# Altium PCB Fri3D_2024_01.PcbDoc (part 2 of 2) (continued)
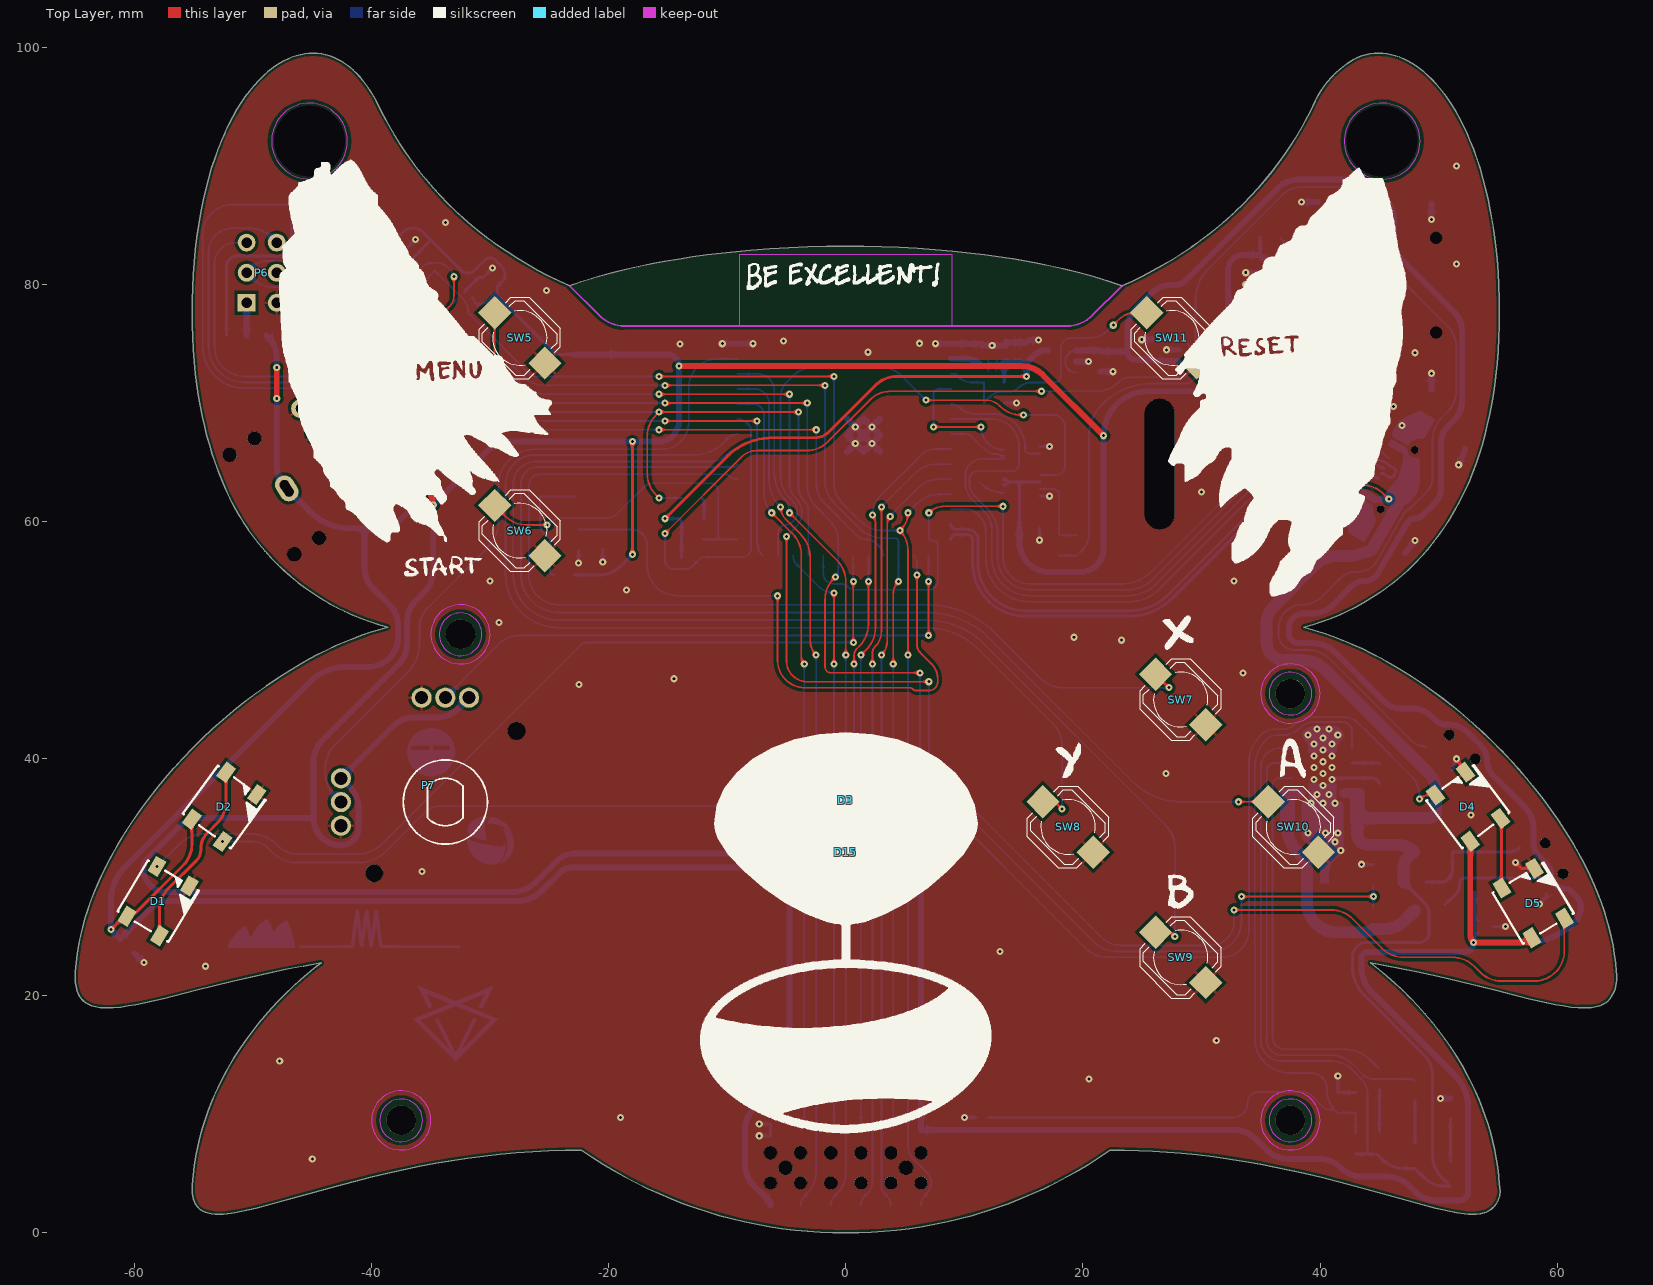
[diagram p0: Top Layer view]
## Nets (pads, with @x,y where several pads share a name; then routed paths per layer and width w, separated by ;. In a path a pad name is that pad's centre, name@x,y a point inside that pad or via, vN(x,y) a via of type N, cw(c..) or ccw(c..) an arc to the next point about the centre after c; other vN are vias at no path point) (continued)
VUSB: C16.1 D10.1 D11.1 D12.1 D13.A D14.5 J2.A4 J2.A9 J2.B4 J2.B9 R21.1 T6.1 U5.4 U5.8 | length 150.4
  Top Layer w0.15: v1(41.54,63.096) 43.552,63.096 cw(c43.552,60.556) 45.348,62.352 v1(45.8,61.9)
  Bottom Layer w0.15: U5.8@37.7,40.905 36.655,40.905 ccw(c36.655,39.25) 35,39.25 35,16.283 ccw(c36.783,16.283) 36.783,14.5 40.919,14.5 cw(c40.919,11.96) 42.715,13.756 43.49,12.981 cw(c42.259,11.75) 44,11.75 44,6.65 ; v1(41.54,63.096) D14.5@41.54,63.918
  Bottom Layer w0.25: R21.1@43,6.65 44,6.65 44.517,6.65 cw(c44.517,5.967) D12.1@45,6.45 45.256,6.194 ccw(c47.052,7.99) 47.052,5.45 D11.1@48,5.45 48.756,4.694 ccw(c50.552,6.49) 50.552,3.95 D10.1@51,3.95 50.244,4.706 cw(c52.04,6.502) 49.5,6.502 49.5,13.248 ccw(c46.96,13.248) 48.756,15.044 43.745,20.055 cw(c46.216,22.526) 42.721,22.527 42.721,23.26 cw(c43.967,23.26) 43.967,24.506 48.376,24.506 ccw(c48.376,25.33) 49.2,25.33 49.2,26.875 ccw(c47.812,26.875) 48.793,27.857 T6.1@47.05,29.6
  Bottom Layer w1: T6.1@47.05,29.6 47.05,30.831 cw(c48.251,30.831) 47.402,31.68 47.816,32.094 cw(c47.95,31.96) D13.A@47.95,32.15 ccw(c46.501,30.702) 46.501,32.75 44,32.75 cw(c44,33.6) 43.15,33.6 C16.1@43.15,35 49.203,35 ccw(c49.203,35.592) 49.795,35.592 49.795,37.279 ccw(c47.686,37.279) 49.177,38.771 40.477,47.471 ccw(c38.404,45.398) 38.404,48.33 36.97,48.33 cw(c36.97,49.8) 35.5,49.8 35.5,51.475 cw(c37.37,51.475) 36.048,52.798 39.606,56.356 cw(c41.402,54.56) 41.402,57.1 42.659,57.1 44.314,57.543 47.318,62.747 47.25,63
pads on no net: D14.4 J1.0 J2.0 J2.A8 J2.B8 J3.0 J3.1 J3.8 J3.9 M1.1 M2.1 M3.1 M4.1 M5.0 M6.0 M7.0 MOD1.28 MOD1.29 MOD1.30 P1.5 P1.6 P1.7 P1.MH1 P1.MH2 P2.Z1 P2.Z2 P4.M1 P4.M2 P7.MH P10. SW1.3 SW1.M1 SW1.M2 SW1.M3 SW1.M4 SW1.M5 SW1.M6 SW4.M1 SW4.M2 SW4.M3 SW4.M4 SW4.M5 SW4.M6 U1.10 U1.11 U3.3 U6.4 U7.4

## Polygon pours and split planes (outlines as drawn)
GND on Top Layer "NONET_L-01_P-001" (solid, remove dead copper, pour order 0): -66,-1 -66,100 66,100 66,-1
GND on Bottom Layer "NONET_L-01_P-001" (solid, remove dead copper, pour order 1): -66,-1 -66,100 66,100 66,-1

## Keep-outs
Top Layer:
  circle w0.1: c45.242,92.102 r3.2
  circle w0.1: c-45.24,92.102 r3.2
  circle w0.1: c-37.5,9.5 r1.8
  circle w0.1: c37.5,9.5 r1.8
  circle w0.1: c37.5,45.5 r1.8
  circle w0.1: c-32.5,50.5 r1.8
Bottom Layer:
  circle w0.1: c45.242,92.102 r3.2
  circle w0.1: c-45.24,92.102 r3.2
  circle w0.1: c-37.5,9.5 r1.8
  circle w0.1: c37.5,9.5 r1.8
  circle w0.1: c37.5,45.5 r1.8
  circle w0.1: c-32.5,50.5 r1.8
Keep-Out Layer:
  lines w0.15: -23.309,79.903 -20.804,77.398 ccw(c-18.636,79.566) -18.636,76.5 18.636,76.5 ccw(c18.636,79.566) 20.804,77.398 23.309,79.903
  text ".Layer_Name" at 184.902,-39.311 h3.5

## Other copper
Top Layer:
  text ".Layer_Name" at 184.902,-39.311 h3.5
Bottom Layer:
  region net VUSB: 46.018,66.973 47.265,66.257 47.373,66.074 47.414,65.844 47.547,65.614 47.74,65.47 47.9,65.4 48.2,65.4 cw(c48.2,65.2) 48.4,65.2 48.4,63.552 cw(c45.86,63.552) 47.656,61.756 47.5,61.6 cw(c47.017,62.083) 47.017,61.4 45.7,61.4 45.5,61.5 45.35,61.593 45.205,61.65 44.972,61.645 44.806,61.587 44.629,61.544 44.499,61.614 43.316,62.297 43.619,62.816 44.861,62.093 45.096,62.131 45.435,62.272 46.6,63.7 46.984,64.968 47.068,65.546 46.969,65.73 45.716,66.454
  region net GND: 38.45,33.5 ccw(c38.933,33.5) 38.591,33.159 39.823,31.927 cw(c39.396,31.5) 40,31.5 40,29.5 40.75,29.5 40.75,30.293 cw(c42.457,30.293) 41.715,31.83 ccw(c41.149,32.397) 41.95,32.397 41.95,33.75 38.45,33.75
  region net GND: 39,40.5 39,40.896 ccw(c38.146,40.896) 38.75,41.5 38.677,41.573 cw(c39.104,42) 38.5,42 cw(c39.104,42) 38.677,42.427 38.75,42.5 cw(c39.354,41.896) 39.354,42.75 41.146,42.75 cw(c41.146,41.896) 41.75,42.5 41.823,42.427 cw(c41.396,42) 42,42 cw(c41.396,42) 41.823,41.573 41.75,41.5 ccw(c42.564,40.686) 41.413,40.686 41.413,40.498
  region net GND: 41.95,33.5 41.95,36.1 ccw(c41.65,36.1) 41.65,36.4 cw(c41.65,36.7) 41.35,36.7 41.35,37.9 39.05,37.9 39.05,36.761 cw(c38.72,36.73) 38.75,36.4 ccw(c38.72,36.13) 38.45,36.161 38.45,33.5
  region net VUSB: 42.55,34.5 42.55,36.5 ccw(c42.35,36.5) 42.35,36.7 42.05,36.7 cw(c42.05,37.1) 41.65,37.1 cw(c42.05,37.1) 42.05,37.5 43.35,37.5 cw(c43.35,37.1) 43.75,37.1 43.75,34.5
  region net VBAT: 37.85,34.5 37.85,36.5 cw(c38.05,36.5) 38.05,36.7 38.35,36.7 ccw(c38.35,37.1) 38.75,37.1 ccw(c38.35,37.1) 38.35,37.5 37.05,37.5 ccw(c37.05,37.1) 36.65,37.1 36.65,34.5
  region: -29.721,20.806 -30.64,18.958 -30.943,19.085 -30.957,19.124 -30.437,20.163 -32.436,19.34 -29.376,18.079 -29.368,18.039 -32.906,14.501 -36.444,18.039 -36.436,18.079 -33.375,19.34 -35.375,20.163 -34.866,19.124 -34.88,19.085 -35.183,18.958 -36.102,20.806 -36.074,20.836 -32.912,19.531 -29.749,20.836 hole: -32.906,19.143 -35.838,17.938 -33.491,15.596 -34.689,17.992 -34.675,18.03 -34.372,18.158 -32.906,15.22 -31.44,18.158 -31.137,18.03 -31.123,17.992 -32.32,15.591 -29.973,17.938
  region: 395 vertices and 2 holes, not listed, extent -36.993,38.54 -32.962,42.57
  region net GND: 46.13,67.167 47.384,66.447 47.68,66.771 48.112,66.961 48.798,67.039 49.719,68.623 48.441,69.369 47.446,68.939 46.718,68.522 46.495,68.222 46.145,67.604
  region net GND: 43.2,62.1 44.462,61.381 44.442,61.083 44.518,60.603 44.715,60.226 44.665,59.964 44.606,59.799 43.726,58.28 42.477,59.004 42.321,59.496 42.209,60.12 42.298,60.804 42.398,61.275 42.672,61.631 43.057,62.011
  region: -46.095,24.06 -46.095,24.225 -45.2,24.237 -44.767,24.242 -44.191,24.246 -43.579,24.249 -43.022,24.25 -42.478,24.251 -42.077,24.255 -41.747,24.26 -41.738,24.268 -41.731,24.371 -41.545,25.748 -41.355,27.149 -41.341,27.2 -41.317,27.231 -41.279,27.252 -41.23,27.26 -41.179,27.254 -41.159,27.246 -41.14,27.233 -41.123,27.217 -41.112,27.2 -41.103,27.166 -41.06,26.884 -41.013,26.56 -40.961,26.184 -40.91,25.81 -40.866,25.494 -40.826,25.209 -40.824,25.205 -40.822,25.204 -40.821,25.205 -40.78,25.493 -40.736,25.813 -40.684,26.194 -40.584,26.916 -40.542,27.133 -40.495,27.227 -40.422,27.262 -40.348,27.227 -40.301,27.132 -40.259,26.914 -40.156,26.188 -40.103,25.805 -40.058,25.485 -40.018,25.2 -40.017,25.2 -40.016,25.2 -39.984,25.426 -39.873,26.244 -39.751,27.143 -39.749,27.165 -39.738,27.196 -39.704,27.229 -39.66,27.254 -39.617,27.262 -39.592,27.259 -39.565,27.251 -39.541,27.239 -39.522,27.224 -39.508,27.208 -39.495,27.191 -39.487,27.175 -39.484,27.163 -39.483,27.145 -39.429,26.728 -39.367,26.263 -39.295,25.714 -39.222,25.166 -39.161,24.701 -39.106,24.284 -39.105,24.269 -39.096,24.26 -38.514,24.255 -37.79,24.251 -36.75,24.25 -35.781,24.249 -34.819,24.246 -33.982,24.242 -33.482,24.237 -32.57,24.225 -32.57,24.06 -39.281,24.07 -39.315,24.117 -39.336,24.168 -39.368,24.356 -39.411,24.637 -39.476,25.112 -39.526,25.476 -39.569,25.785 -39.609,26.06 -39.615,26.073 -39.619,26.074 -39.621,26.071 -39.662,25.798 -39.707,25.489 -39.759,25.118 -39.854,24.431 -39.897,24.201 -39.941,24.097 -40.008,24.061 -40.051,24.065 -40.089,24.08 -40.119,24.102 -40.137,24.131 -40.148,24.174 -40.278,25.099 -40.403,25.992 -40.414,26.106 -40.418,26.11 -40.422,26.107 -40.441,25.993 -40.477,25.746 -40.554,25.178 -40.603,24.821 -40.646,24.511 -40.683,24.243 -40.69,24.195 -40.708,24.14 -40.738,24.097 -40.779,24.07 -40.828,24.061 -40.898,24.096 -40.945,24.195 -40.988,24.419 -41.085,25.118 -41.136,25.488 -41.181,25.798 -41.222,26.071 -41.225,26.074 -41.228,26.073 -41.234,26.06 -41.274,25.785 -41.318,25.476 -41.368,25.112 -41.433,24.634 -41.475,24.354 -41.507,24.168 -41.529,24.117 -41.563,24.07
  region: -52.179,24.06 -52.165,24.103 -52.136,24.177 -52.043,24.365 -51.946,24.553 -51.877,24.676 -51.729,24.903 -51.557,25.129 -51.378,25.335 -51.208,25.501 -51.053,25.628 -50.877,25.754 -50.711,25.86 -50.645,25.879 -50.612,25.857 -50.477,25.548 -50.349,25.239 -50.254,24.972 -50.22,24.87 -50.113,25.076 -49.908,25.425 -49.675,25.743 -49.415,26.027 -49.133,26.273 -49.047,26.334 -48.929,26.407 -48.809,26.476 -48.775,26.485 -48.763,26.479 -48.732,26.425 -48.695,26.36 -48.657,26.282 -48.577,26.11 -48.52,25.976 -48.464,25.828 -48.389,25.608 -48.3,25.347 -48.192,25.499 -48.079,25.644 -47.937,25.803 -47.788,25.955 -47.65,26.077 -47.539,26.161 -47.387,26.262 -47.232,26.36 -47.191,26.372 -47.182,26.367 -47.158,26.327 -47.13,26.279 -47.1,26.221 -46.956,25.906 -46.824,25.555 -46.709,25.185 -46.617,24.813 -46.578,24.62 -46.536,24.389 -46.499,24.167 -46.493,24.097 -46.518,24.072 -46.868,24.065 -47.479,24.061 -49.336,24.06
  region: -28.127,33.582 -28.144,33.582 -28.145,33.564 -28.11,33.564 -28.11,33.581 -28.109,33.599 -28.127,33.599
  region: 570 vertices and 0 holes, not listed, extent -29.087,31.207 -27.993,34.075
  region: 380 vertices and 0 holes, not listed, extent -30.189,33.617 -28.126,35.075
  region: 638 vertices and 0 holes, not listed, extent -31.975,31.091 -28.69,33.476
  region: 460 vertices and 0 holes, not listed, extent -31.899,33.131 -30.097,35.133
  text ".Layer_Name" at 184.902,-39.311 h3.5

## Silkscreen, mask and mechanical layers (free items; w line width, h text height)
Top Overlay:
  drawing of 22 lines, arcs and shapes, not listed
  text ".Layer_Name" at 184.902,-39.311 h3.5
Bottom Overlay:
  drawing of 145 lines, arcs and shapes, not listed
  text "IO13" at -46.5,84.75 h1.5
  text "LED" at -51.54,83.04 h1.5
  text "SDA" at -51.54,80.5 h1.5
  text "ESP32-S3" at -9.5,79.514 h2.5
  text "SCL" at -44,79.5 h1.5
  text "V+" at -51.54,77.96 h1.5
  text "GND" at -44,77.96 h1.5
  text "IO42" at 30.75,76.5 h1.5
  text "8MB PSRAM / 16MB FLASH" at -9.5,76.101 h2.5
  text "VSYS - 3V3" at -46.75,73.96 h1.5
  text "Y" at -39.25,73 h2
  text "X" at -38,73 h2
  text "IO14" at 37.5,71 h1.5
  text "IO10" at -41.116,67.984 h1.5 r303
  text "IO21" at -11.635,62.877 h1.5
  text "IO46" at -26.25,57.25 h1.5
  text "IO05" at 16.5,56.75 h1.5
  text "LCD" at 22.998,52.681 h2.5
  text "GC9307 (ST7789) / 240*296px" at 22.998,48.146 h2.5
  text "Accelero Gyro" at -1.5,48 h2.5
  text "ON" at 49.59,44.982 h2.5 r45
  text "IO12" at 11.294,44.285 h2.5
  text "WS2812 LED :" at 31.794,44.285 h2.5
  text "WSEN-ISDS / I2C 0x6B / IO21" at -1.5,43.565 h2.5
  text "IO13" at 11.294,42.246 h2.5
  text "Batterij Monitor :" at 31.794,42.246 h2.5
  text "IO08" at -16.25,40.75 h2.5
  text "MISO :" at 4.25,40.75 h2.5
  text "IO10" at 11.294,40.753 h2.5
  text "Blaster :" at 31.794,40.753 h2.5
  text "automaton.be" at -37.899,40.073 h2.55
  text "IO46" at 11.294,39.036 h2.5
  text "Zoemer :" at 31.794,39.036 h2.5
  text "IO06" at -16.25,39 h2.5
  text "MOSI :" at 4.25,39 h2.5
  text "IO07" at -16.25,37.25 h2.5
  text "SCLK :" at 4.25,37.25 h2.5
  text "IO11" at 11.294,37.045 h2.5
  text "IR Ontvanger :" at 31.794,37.045 h2.5
  text "Naam :" at -44.25,36.75 h2.8
  text "OFF" at 58.426,36.164 h2.5 r27.91
  text "IO05" at -16.25,35.5 h2.5
  text "CS :" at -11,35.5 h2.5
  text "IO04" at -16.25,33.75 h2.5
  text "DC :" at -9.5,33.75 h2.5
  text "LCD" at -2.75,33.75 h2.5
  text "IO39" at 11.25,33.5 h2.5
  text "A :" at 31.75,33.5 h2.5
  text "IO48" at -16.25,32 h2.5
  text "RSTn :" at 4.25,32 h2.5
  text "IO40" at 11.25,31.75 h2.5
  text "B :" at 31.75,31.75 h2.5
  text "+" at 38.481,31.491 h1.5
  text "IO14" at -16.25,30.25 h2.5
  text "CS :" at -10.75,30.25 h2.5
  text "SDCARD" at -2.5,30.25 h2.5
  text "IO38" at 11.25,30 h2.5
  text "X :" at 31.75,30 h2.5
  text "IO41" at 11.25,28.25 h2.5
  text "Y :" at 31.75,28.25 h2.5
  text "ON" at 63.5,26.75 h2.5 r26.57
  text "IO18" at -16.25,26.5 h2.5
  text "I²C SCL :" at 4.25,26.5 h2.5
  text "IO45" at 11.25,26.5 h2.5
  text "MENU :" at 19.25,26.5 h2.5
  text "IO09" at -16.25,24.75 h2.5
  text "I²C SDA :" at 4.25,24.75 h2.5
  text "IO00" at 11.25,24.75 h2.5
  text "BOOT / START :" at 32,24.75 h2.5
  text "IO13" at 46,23.75 h1.5
  text "IO03" at 11.25,21.5 h2.5
  text "JOY ↕ :" at 19.25,21.5 h2.5
  text "IO42" at -16.25,21.25 h2.5
  text "AUX PWR :" at 4.25,21.25 h2.5
  text "IO01" at 11.25,19.75 h2.5
  text "JOY ↔ :" at 19,19.75 h2.5
  text ".PCB_TITLE / Rev. .PCB_Rev" at -28.001,10.237 h2.5 r359.98
  text "S" at 45.836,9.272 h3.5
  text "GND" at -8.12,8.29 h1.5 r270
  text "44" at -5.58,8.29 h1.5 r270
  text "47" at -3.04,8.29 h1.5 r270
  text "15" at -0.5,8.29 h1.5 r270
  text "SDA" at 2.04,8.29 h1.5 r270
  text "VSYS" at 4.58,8.29 h1.5 r270
  text "C" at 48.983,8.286 h3.5
  text "+" at 51.871,6.418 h5
  text "Wim" at -48.649,5.034 h2 r351
  text "3V" at -8.12,-0.29 h1.5 r270
  text "43" at -5.58,-0.29 h1.5 r270
  text "2" at -3.04,-0.29 h1.5 r270
  text "16" at -0.5,-0.29 h1.5 r270
  text "17" at 2.04,-0.29 h1.5 r270
  text "SCL" at 4.58,-0.29 h1.5 r270
  text ".Layer_Name" at 184.902,-39.311 h3.5
Top Paste:
  text ".Layer_Name" at 184.902,-39.311 h3.5
Bottom Paste:
  text ".Layer_Name" at 184.902,-39.311 h3.5
Top Solder:
  drawing of 505 lines, arcs and shapes, not listed
  text ".Layer_Name" at 184.902,-39.311 h3.5
Bottom Solder:
  text ".Layer_Name" at 184.902,-39.311 h3.5
Drill Guide:
  text ".Layer_Name" at 184.902,-39.311 h3.5
3D Symbols:
  text ".Layer_Name" at 184.902,-39.311 h3.5
Board Outline:
  the board outline again, w0.1
Comments:
  drawing of 144 lines, arcs and shapes, not listed
  text "λ" at -31.5,79 h4
  text "ξ" at 25.75,78.25 h4
  text "σ" at -31.5,62.5 h4
  text "δ" at 24.096,48.639 h4
  text "γ" at 14.75,38 h4
  text "α" at 34.25,38 h4
  text "β" at 24.25,27 h4
  text ".Layer_Name" at 184.902,-39.311 h3.5
Fabrication:
  text "White Solder Mask" at -111,-7.5 h1.5
  text "Black Silkscreen" at -111,-10.5 h1.5
  text "1.6mm Thickness" at -111,-16.5 h1.5
  text ".Layer_Name" at 184.902,-39.311 h3.5
Top Placebound:
  text ".Layer_Name" at 184.902,-39.311 h3.5
Bottom Placebound:
  text ".Layer_Name" at 184.902,-39.311 h3.5
Stencil:
  region: -30,124.222 ccw(c-30,126.722) -27.5,126.722 ccw(c-30,126.722) -30,129.222 ccw(c-30,126.722) -32.5,126.722 ccw(c-30,126.722)
  region: 30,124.222 cw(c30,126.722) 27.5,126.722 cw(c30,126.722) 30,129.222 cw(c30,126.722) 32.5,126.722 cw(c30,126.722)
  lines w0.15: -66,-45.278 66,-45.278 66,145.722 -66,145.722 -66,-45.278
Frame:
  drawing of 15 lines, arcs and shapes, not listed
  text "Document" at 180.402,-24.311 h2
  text ".PCB_TITLE" at 181.902,-29.811 h3.2
  text "Layer Name" at 180.402,-34.311 h2
  text "Date" at 180.402,-44.311 h2
  text "Rev" at 220.402,-44.311 h2
  text ".Print_Date" at 183.402,-49.811 h3.5
  text ".PCB_REV" at 224.902,-49.811 h4
  text "Desginer" at 130.402,-54.311 h2
  text "Document" at 180.402,-54.311 h2
  text ".Pcb_File_Name_No_Path" at 181.902,-59.311 h1.5
  text ".PCB_ENGINEER" at 134.902,-59.811 h4
Top Assembly:
  text ".Layer_Name" at 184.902,-39.311 h3.5
Bottom Assembly:
  text ".Layer_Name" at 184.902,-39.311 h3.5
Drill Drawing:
  circle w0.15: c82.744,46.044 r0.444
  circle w0.15: c82.744,40.044 r0.267
  circle w0.15: c82.744,40.044 r0.444
  lines w0.15: 81.497,27 220.744,27 ; 81.497,53 220.744,53 ; 88.895,25 88.895,55 ; 96.926,25 96.926,55 ; 112.422,25 112.422,55 ; 119.22,25 119.22,55 ; 129.057,25 129.057,55 ; 149.085,25 149.085,55 ; 157.003,25 157.003,55 ; 167,25 167,55 ; 185.961,25 185.961,55 ; 201.99,25 201.99,55 ; 81.497,25 220.744,25 220.744,55 81.497,55 81.497,25 ; 82.299,28.044 82.744,27.6 83.188,28.044 82.744,28.489 82.299,28.044 ; 82.299,29.6 82.299,29.822 82.521,30.044 82.299,30.267 82.299,30.489 82.521,30.489 82.744,30.267 82.966,30.489 83.188,30.489 83.188,30.267 82.966,30.044 83.188,29.822 83.188,29.6 82.966,29.6 82.744,29.822 82.521,29.6 82.299,29.6 ; 82.299,31.822 82.521,31.822 82.744,31.6 82.966,31.822 83.188,31.822 82.966,32.044 83.188,32.267 82.966,32.267 82.744,32.489 82.521,32.267 82.299,32.267 82.521,32.044 82.299,31.822 ; 82.299,33.6 83.188,33.6 83.188,34.489 82.299,34.489 82.299,33.6 ; 82.299,36.489 83.188,36.489 82.744,35.6 82.299,36.489 ; 82.299,37.6 82.744,37.822 83.188,37.6 82.966,38.044 83.188,38.489 82.744,38.267 82.299,38.489 82.521,38.044 82.299,37.6 ; 82.299,41.6 83.188,41.6 83.188,42.489 82.299,42.489 82.299,41.6 ; 82.299,44.489 83.188,44.489 82.744,43.6 82.299,44.489 ; 82.299,47.6 82.744,47.822 83.188,47.6 82.966,48.044 83.188,48.489 82.744,48.267 82.299,48.489 82.521,48.044 82.299,47.6 ; 82.299,49.822 82.521,49.822 82.521,49.6 82.966,49.6 82.966,49.822 83.188,49.822 83.188,50.267 82.966,50.267 82.966,50.489 82.521,50.489 82.521,50.267 82.299,50.267 82.299,49.822 ; 82.299,51.822 82.521,51.822 82.744,51.6 82.966,51.822 83.188,51.822 82.966,52.044 83.188,52.267 82.966,52.267 82.744,52.489 82.521,52.267 82.299,52.267 82.521,52.044 82.299,51.822 ; 82.477,41.778 83.01,41.778 83.01,42.311 82.477,42.311 82.477,41.778 ; 82.477,44.311 83.01,44.311 82.744,43.778 82.477,44.311 ; 82.477,47.778 82.744,47.911 83.01,47.778 82.877,48.044 83.01,48.311 82.744,48.178 82.477,48.311 82.61,48.044 82.477,47.778 ; 82.477,51.911 82.61,51.911 82.744,51.778 82.877,51.911 83.01,51.911 82.877,52.044 83.01,52.178 82.877,52.178 82.744,52.311 82.61,52.178 82.477,52.178 82.61,52.044 82.477,51.911
  text "Symbol" at 82.697,53.6 h0.96
  text "Count" at 89.495,53.6 h0.96
  text "Hole Size" at 97.526,53.6 h0.96
  text "Plated" at 113.022,53.6 h0.96
  text "Hole Type" at 119.82,53.6 h0.96
  text "Drill Layer Pair" at 129.657,53.6 h0.96
  text "Via/Pad" at 149.685,53.6 h0.96
  text "Pad Shape" at 157.603,53.6 h0.96
  text "Template" at 167.6,53.6 h0.96
  text "Hole Length" at 186.561,53.6 h0.96
  text "Routed Path Length" at 202.59,53.6 h0.96
  text "1" at 89.495,51.6 h0.8
  text "2.500mm (98.43mil)" at 97.526,51.6 h0.8
  text "NPTH" at 113.022,51.6 h0.8
  text "Slot" at 119.82,51.6 h0.8
  text "Top Layer - Bottom Layer" at 129.657,51.6 h0.8
  text "Pad" at 149.685,51.6 h0.8
  text "Rounded" at 157.603,51.6 h0.8
  text "r1100_250hn250_1100r125" at 167.6,51.6 h0.8
  text "11.000mm (433.07mil)" at 186.561,51.6 h0.8
  text "8.500mm (334.65mil)" at 202.59,51.6 h0.8
  text "2" at 89.495,49.6 h0.8
  text "0.650mm (25.59mil)" at 97.526,49.6 h0.8
  text "NPTH" at 113.022,49.6 h0.8
  text "Round" at 119.82,49.6 h0.8
  text "Top Layer - Bottom Layer" at 129.657,49.6 h0.8
  text "Pad" at 149.685,49.6 h0.8
  text "Rounded" at 157.603,49.6 h0.8
  text "c65hn65" at 167.6,49.6 h0.8
  text "-" at 186.561,49.6 h0.8
  text "-" at 202.59,49.6 h0.8
  text "2" at 89.495,47.6 h0.8
  text "1.000mm (39.37mil)" at 97.526,47.6 h0.8
  text "NPTH" at 113.022,47.6 h0.8
  text "Round" at 119.82,47.6 h0.8
  text "Top Layer - Bottom Layer" at 129.657,47.6 h0.8
  text "Pad" at 149.685,47.6 h0.8
  text "Rounded" at 157.603,47.6 h0.8
  text "c0hn100" at 167.6,47.6 h0.8
  text "-" at 186.561,47.6 h0.8
  text "-" at 202.59,47.6 h0.8
  text "2" at 89.495,45.6 h0.8
  text "1.500mm (59.06mil)" at 97.526,45.6 h0.8
  text "NPTH" at 113.022,45.6 h0.8
  text "Round" at 119.82,45.6 h0.8
  text "Top Layer - Bottom Layer" at 129.657,45.6 h0.8
  text "Pad" at 149.685,45.6 h0.8
  text "Rounded" at 157.603,45.6 h0.8
  text "c150hn150" at 167.6,45.6 h0.8
  text "-" at 186.561,45.6 h0.8
  text "-" at 202.59,45.6 h0.8
  text "2" at 89.495,43.6 h0.8
  text "6.000mm (236.22mil)" at 97.526,43.6 h0.8
  text "NPTH" at 113.022,43.6 h0.8
  text "Round" at 119.82,43.6 h0.8
  text "Top Layer - Bottom Layer" at 129.657,43.6 h0.8
  text "Pad" at 149.685,43.6 h0.8
  text "Rounded" at 157.603,43.6 h0.8
  text "c0hn600m640" at 167.6,43.6 h0.8
  text "-" at 186.561,43.6 h0.8
  text "-" at 202.59,43.6 h0.8
  text "4" at 89.495,41.6 h0.8
  text "0.900mm (35.43mil)" at 97.526,41.6 h0.8
  text "NPTH" at 113.022,41.6 h0.8
  text "Round" at 119.82,41.6 h0.8
  text "Top Layer - Bottom Layer" at 129.657,41.6 h0.8
  text "Pad" at 149.685,41.6 h0.8
  text "Rounded" at 157.603,41.6 h0.8
  text "c90hn90" at 167.6,41.6 h0.8
  text "-" at 186.561,41.6 h0.8
  text "-" at 202.59,41.6 h0.8
  text "4" at 89.495,39.6 h0.8
  text "2.500mm (98.43mil)" at 97.526,39.6 h0.8
  text "PTH" at 113.022,39.6 h0.8
  text "Round" at 119.82,39.6 h0.8
  text "Top Layer - Bottom Layer" at 129.657,39.6 h0.8
  text "Pad" at 149.685,39.6 h0.8
  text "Rounded" at 157.603,39.6 h0.8
  text "c250h250" at 167.6,39.6 h0.8
  text "-" at 186.561,39.6 h0.8
  text "-" at 202.59,39.6 h0.8
  text "5" at 89.495,37.6 h0.8
  text "0.800mm (31.50mil)" at 97.526,37.6 h0.8
  text "PTH" at 113.022,37.6 h0.8
  text "Slot" at 119.82,37.6 h0.8
  text "Top Layer - Bottom Layer" at 129.657,37.6 h0.8
  text "Pad" at 149.685,37.6 h0.8
  text "Rounded" at 157.603,37.6 h0.8
  text "r230_160h80_150r80" at 167.6,37.6 h0.8
  text "1.500mm (59.06mil)" at 186.561,37.6 h0.8
  text "0.700mm (27.56mil)" at 202.59,37.6 h0.8
  text "6" at 89.495,35.6 h0.8
  text "0.900mm (35.43mil)" at 97.526,35.6 h0.8
  text "PTH" at 113.022,35.6 h0.8
  text "Round" at 119.82,35.6 h0.8
  text "Top Layer - Bottom Layer" at 129.657,35.6 h0.8
  text "Pad" at 149.685,35.6 h0.8
  text "(Mixed)" at 157.603,35.6 h0.8
  text "(Mixed)" at 167.6,35.6 h0.8
  text "-" at 186.561,35.6 h0.8
  text "-" at 202.59,35.6 h0.8
  text "6" at 89.495,33.6 h0.8
  text "1.100mm (43.31mil)" at 97.526,33.6 h0.8
  text "PTH" at 113.022,33.6 h0.8
  text "Round" at 119.82,33.6 h0.8
  text "Top Layer - Bottom Layer" at 129.657,33.6 h0.8
  text "Pad" at 149.685,33.6 h0.8
  text "Rounded" at 157.603,33.6 h0.8
  text "c170h110" at 167.6,33.6 h0.8
  text "-" at 186.561,33.6 h0.8
  text "-" at 202.59,33.6 h0.8
  text "7" at 89.495,31.6 h0.8
  text "1.200mm (47.24mil)" at 97.526,31.6 h0.8
  text "NPTH" at 113.022,31.6 h0.8
  text "Round" at 119.82,31.6 h0.8
  text "Top Layer - Bottom Layer" at 129.657,31.6 h0.8
  text "Pad" at 149.685,31.6 h0.8
  text "Rounded" at 157.603,31.6 h0.8
  text "c120hn120" at 167.6,31.6 h0.8
  text "-" at 186.561,31.6 h0.8
  text "-" at 202.59,31.6 h0.8
  text "12" at 89.495,29.6 h0.8
  text "1.100mm (43.31mil)" at 97.526,29.6 h0.8
  text "NPTH" at 113.022,29.6 h0.8
  text "Round" at 119.82,29.6 h0.8
  text "Top Layer - Bottom Layer" at 129.657,29.6 h0.8
  text "Pad" at 149.685,29.6 h0.8
  text "Rounded" at 157.603,29.6 h0.8
  text "c110hn110" at 167.6,29.6 h0.8
  text "-" at 186.561,29.6 h0.8
  text "-" at 202.59,29.6 h0.8
  text "196" at 89.495,27.6 h0.8
  text "0.250mm (9.84mil)" at 97.526,27.6 h0.8
  text "PTH" at 113.022,27.6 h0.8
  text "Round" at 119.82,27.6 h0.8
  text "Top Layer - Bottom Layer" at 129.657,27.6 h0.8
  text "Via" at 149.685,27.6 h0.8
  text "Rounded" at 157.603,27.6 h0.8
  text "v60h25m0mx45" at 167.6,27.6 h0.8
  text "-" at 186.561,27.6 h0.8
  text "-" at 202.59,27.6 h0.8
  text "249 Total" at 89.495,25.6 h0.8
  text "Slot definitions :" at 82.697,23.634 h0.8
  text "Routed Path Length" at 96.513,23.634 h0.8
  text "= Calculated from tool start centre position to tool end centre position." at 111.261,23.634 h0.8
  text "Hole Length" at 96.513,22.267 h0.8
  text "= Routed Path Length + Tool Size = Slot length as defined in the PCB layout" at 105.797,22.267 h0.8
  text ".Layer_Name" at 184.902,-39.311 h3.5
Panel:
  text ".Layer_Name" at 184.902,-39.311 h3.5

## Dimensions
-44.926,99.521 to 0,0 on Fabrication
-64.988,22.053 to 64.989,22.053 on Fabrication

## Text inside footprints (layer, text, board x,y; h text height)
J1: Comments "PCB EDGE" at -50.469,64.239 h0.8 r123
J2: Comments "PCB Edge" at 52.547,62.742 h0.61 r60
J3: Comments "uSD CARD" at 57.841,84.254 h1.2 r90
U1: Comments "recommendation to avoid  / mechanical stress: / no vias, drills in Keepout" at -39.085,83.707 h0.2 r90